# Altium PCB InsaneKeyboard.PcbDoc (part 1 of 3) (continued)
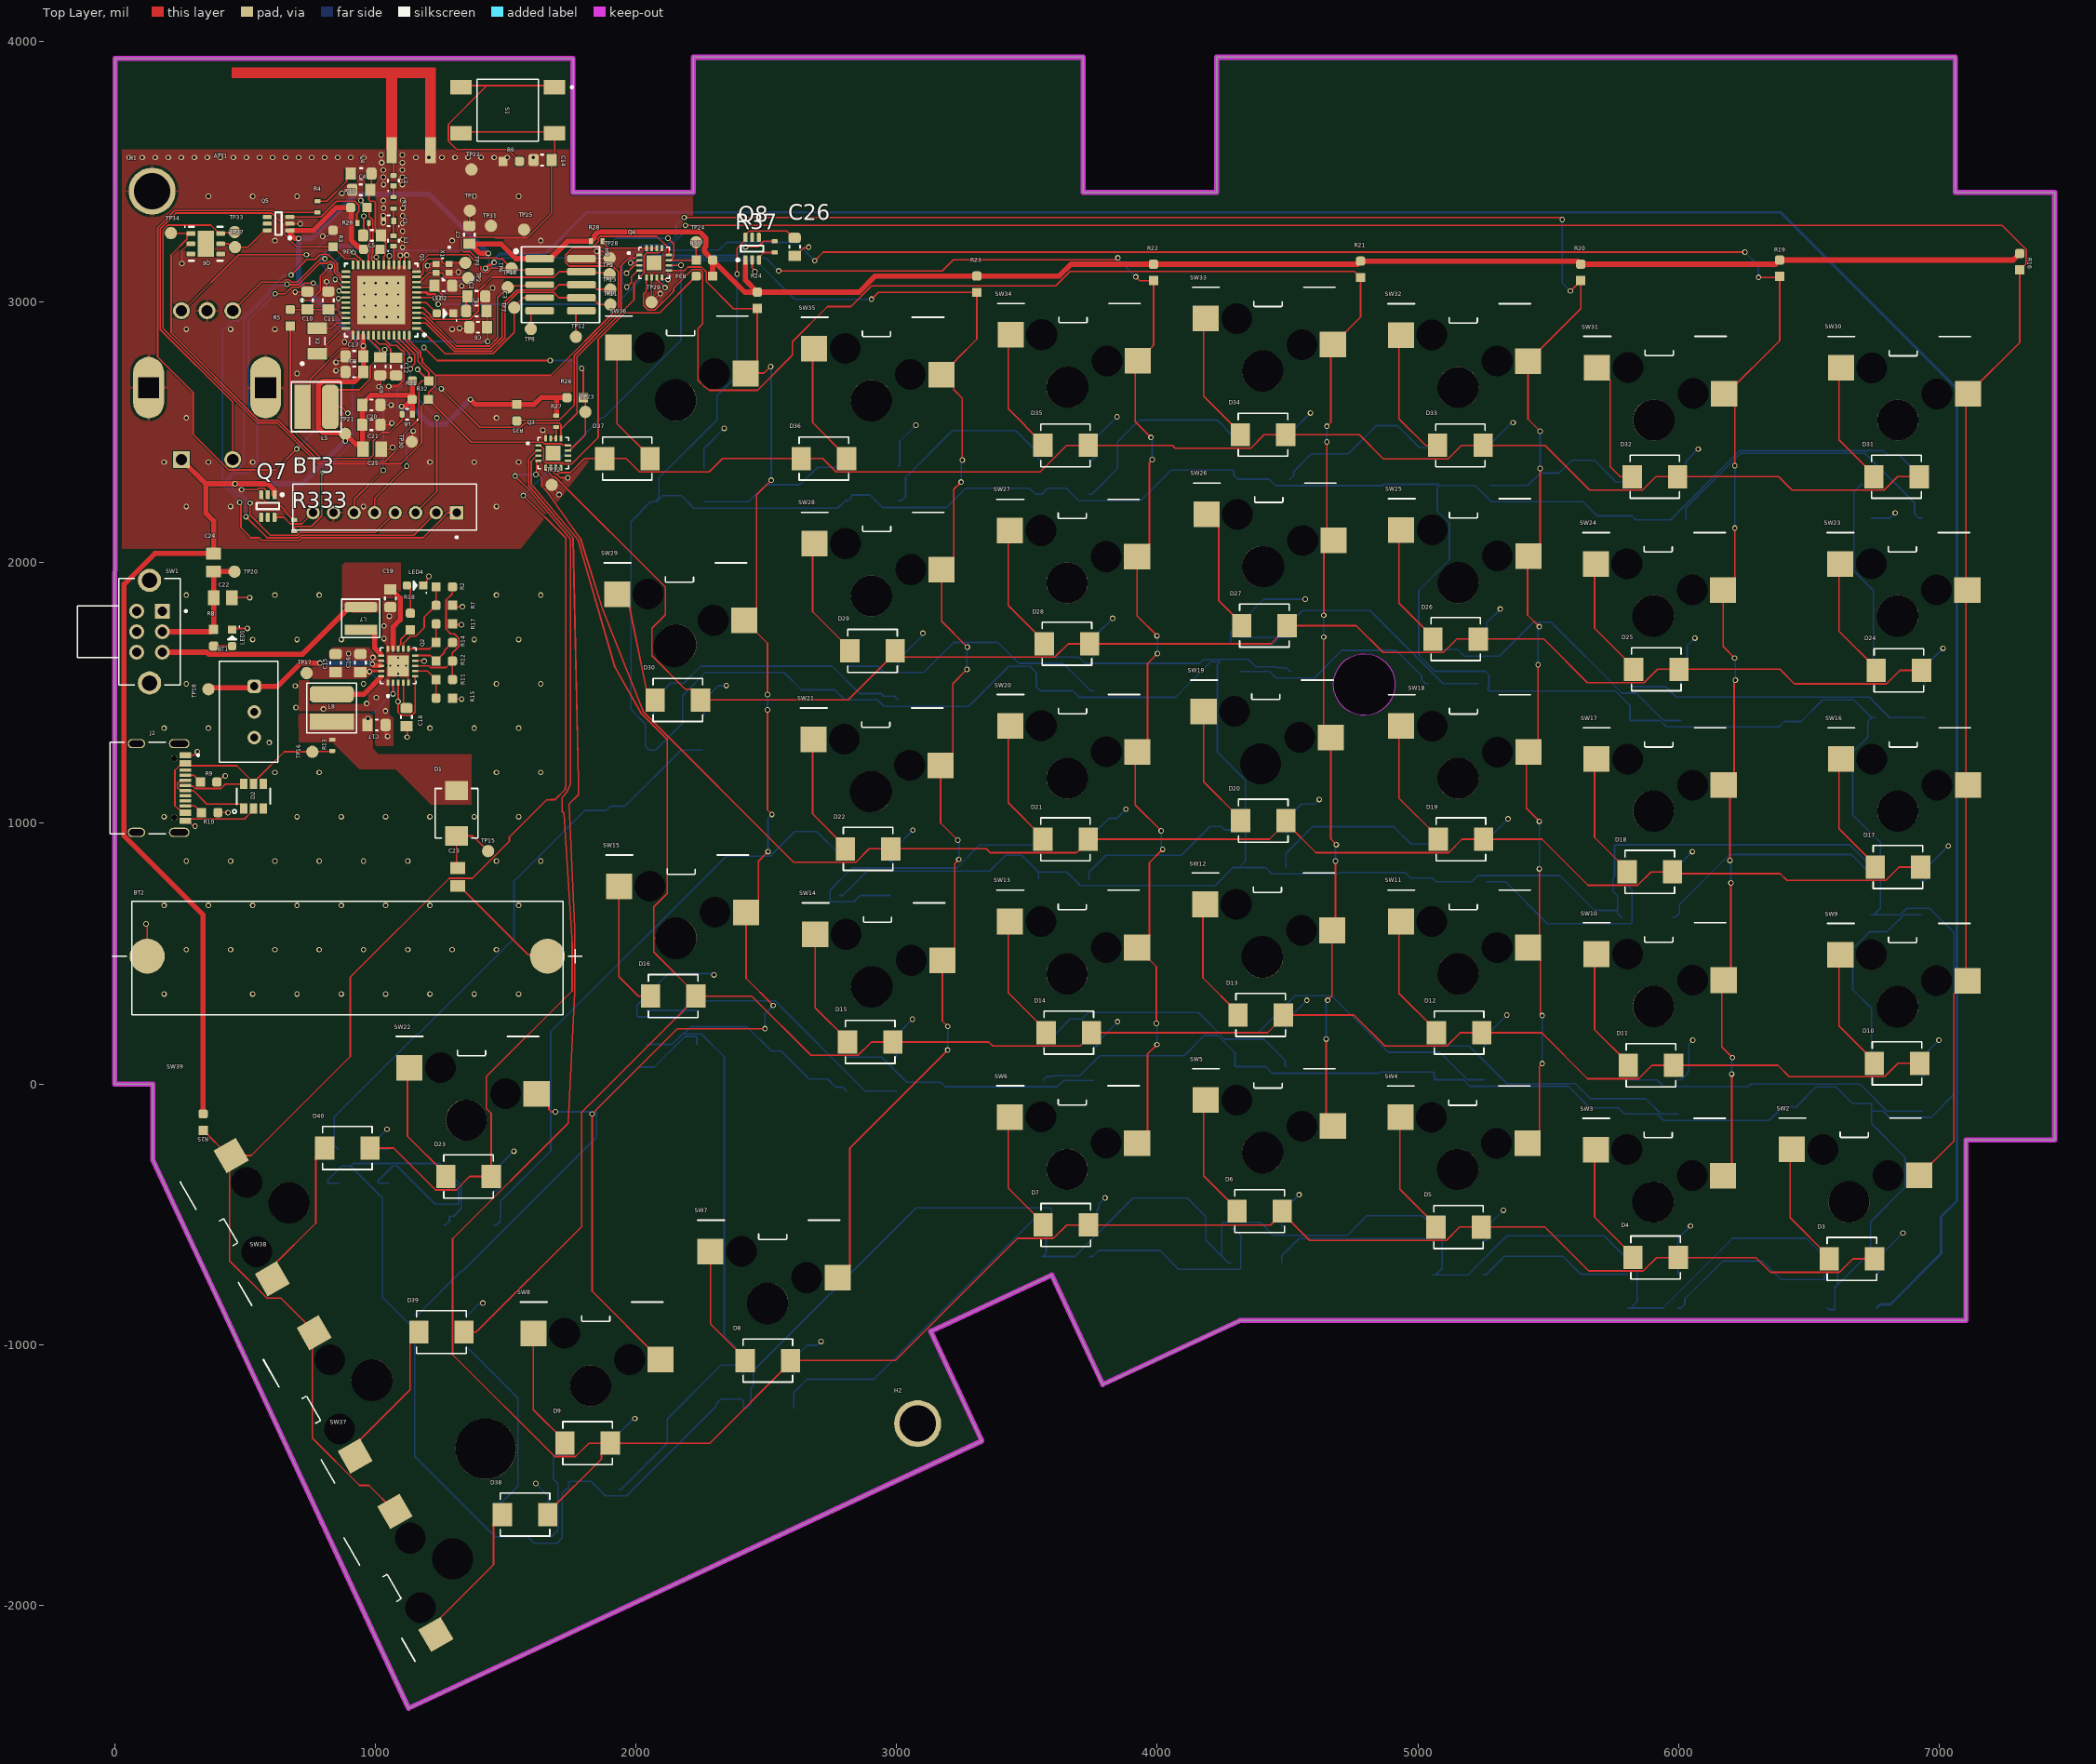
[diagram p0: Top Layer view]
## Components (designator, comment, footprint, x,y, rotation, side; value= is the part's Value field where it differs from the comment) (continued)
R35 "RES 10K 0603" "Resistor 0603" 1543,2575 r270 top value=10kR
R36 "RES 10K 0603" "Resistor 0603" 986.78,3202.01 r180 top value=10kR
R37 "RES 0R 0402" "Resistor 0402" 2532,3211 r90 top value=0R
R333 "RES 0R 0402" "Resistor 0402" 689,2142 r270 top value=0R
S1 "SPST" SPST 1508,3735 r180 top
SW1 "DPDT" DPDT 134,1734.85 r270 top
SW2 "Gateron G Pro 2.0" "MECHANICAL SWITCH" 6654,-451.79 r0 top
SW3 "Gateron G Pro 2.0" "MECHANICAL SWITCH" 5902,-452.79 r0 top
SW4 "Gateron G Pro 2.0" "MECHANICAL SWITCH" 5152,-328.79 r0 top
SW5 "Gateron G Pro 2.0" "MECHANICAL SWITCH" 4405,-262.79 r0 top
SW6 "Gateron G Pro 2.0" "MECHANICAL SWITCH" 3654,-327.79 r0 top
SW7 "Gateron G Pro 2.0" "MECHANICAL SWITCH" 2505,-843.79 r0 top
SW8 "Gateron G Pro 2.0" "MECHANICAL SWITCH" 1825.88,-1157.86 r0 top
SW9 "Gateron G Pro 2.0" "MECHANICAL SWITCH" 6840,295.21 r0 top
SW10 "Gateron G Pro 2.0" "MECHANICAL SWITCH" 5904,297.21 r0 top
SW11 "Gateron G Pro 2.0" "MECHANICAL SWITCH" 5153.99,422.09 r0 top
SW12 "Gateron G Pro 2.0" "MECHANICAL SWITCH" 4403,488.21 r0 top
SW13 "Gateron G Pro 2.0" "MECHANICAL SWITCH" 3653.98,422.09 r0 top
SW14 "Gateron G Pro 2.0" "MECHANICAL SWITCH" 2907,373.21 r0 top
SW15 "Gateron G Pro 2.0" "MECHANICAL SWITCH" 2154,557.21 r0 top
SW16 "Gateron G Pro 2.0" "MECHANICAL SWITCH" 6842,1045.21 r0 top
SW17 "Gateron G Pro 2.0" "MECHANICAL SWITCH" 5904,1045.21 r0 top
SW18 "Gateron G Pro 2.0" "MECHANICAL SWITCH" 5155,1172.21 r0 top
SW19 "Gateron G Pro 2.0" "MECHANICAL SWITCH" 4396.91,1228.16 r0 top
SW20 "Gateron G Pro 2.0" "MECHANICAL SWITCH" 3655,1173.21 r0 top
SW21 "Gateron G Pro 2.0" "MECHANICAL SWITCH" 2900,1121.21 r0 top
SW22 "Gateron G Pro 2.0" "MECHANICAL SWITCH" 1349.76,-138.61 r0 top
SW23 "Gateron G Pro 2.0" "MECHANICAL SWITCH" 6839,1794.21 r0 top
SW24 "Gateron G Pro 2.0" "MECHANICAL SWITCH" 5902,1794.21 r0 top
SW25 "Gateron G Pro 2.0" "MECHANICAL SWITCH" 5155,1924.21 r0 top
SW26 "Gateron G Pro 2.0" "MECHANICAL SWITCH" 4408,1984.21 r0 top
SW27 "Gateron G Pro 2.0" "MECHANICAL SWITCH" 3653.98,1922.1 r0 top
SW28 "Gateron G Pro 2.0" "MECHANICAL SWITCH" 2903.97,1872.1 r0 top
SW29 "Gateron G Pro 2.0" "MECHANICAL SWITCH" 2146.89,1677.76 r0 top
SW30 "Gateron G Pro 2.0" "MECHANICAL SWITCH" 6842,2546.21 r0 top
SW31 "Gateron G Pro 2.0" "MECHANICAL SWITCH" 5906,2547.21 r0 top
SW32 "Gateron G Pro 2.0" "MECHANICAL SWITCH" 5153.99,2672.11 r0 top
SW33 "Gateron G Pro 2.0" "MECHANICAL SWITCH" 4405,2735.21 r0 top
SW34 "Gateron G Pro 2.0" "MECHANICAL SWITCH" 3657,2673.21 r0 top
SW35 "Gateron G Pro 2.0" "MECHANICAL SWITCH" 2903,2620.21 r0 top
SW36 "Gateron G Pro 2.0" "MECHANICAL SWITCH" 2152,2624.21 r0 top
SW37 "Gateron G Pro 2.0" "MECHANICAL SWITCH" 1296.89,-1821.86 r120 top
SW38 "Gateron G Pro 2.0" "MECHANICAL SWITCH" 987.28,-1137.51 r120 top
SW39 "Gateron G Pro 2.0" "MECHANICAL SWITCH" 669.42,-457 r120 top
TP1 "Test point" "TEST POINT" 1363,3350 r90 top
TP2 "Test point" "TEST POINT" 1357,3092 r0 top
TP3 "Test point" "TEST POINT" 1346,3150 r0 top
TP6 "Test point" "TEST POINT" 1523,3129 r0 top
TP7 "Test point" "TEST POINT" 1533,2978 r0 top
TP8 "Test point" "TEST POINT" 1597,2896 r90 top
TP9 "Test point" "TEST POINT" 1899,3106 r90 top
TP10 "Test point" "TEST POINT" 1508.27,3056 r0 top
TP11 "Test point" "TEST POINT" 1902,2990 r90 top
TP12 "Test point" "TEST POINT" 1770,2866 r90 top
TP13 "Test point" "TEST POINT" 1902,3048 r90 top
TP15 "Test Point" "TEST POINT" 1433,893 r180 top
TP16 "Test point" "TEST POINT" 759,1274 r180 top
TP17 "Test point" "TEST POINT" 737,1576 r180 top
TP18 "Test point" "TEST POINT" 360,1514 r180 top
TP20 "Test point" "TEST POINT" 460,1965 r90 top
TP21 "Test point" "TEST POINT" 885,2494 r90 top
TP22 "Test point" "TEST POINT" 1369,3508 r90 top
TP23 "Test point" "TEST POINT" 1806,2578 r180 top
TP24 "Test point" "TEST POINT" 2231,3229 r90 top
TP25 "Test point" "TEST POINT" 1571,3277 r90 top
TP27 "Test point" "TEST POINT" 462,3210 r270 top
TP28 "Test point" "TEST POINT" 1899,3168 r270 top
TP29 "Test point" "TEST POINT" 2060,2999 r90 top
TP30 "Test point" "TEST POINT" 1140,2464 r0 top
TP31 "Test point" "TEST POINT" 1444,3292 r90 top
TP32 "Test point" "TEST POINT" 1677,2298 r90 top
TP33 "Test point" "TEST POINT" 461,3268 r270 top
TP34 "Test point" "TEST POINT" 216,3264 r270 top
X1 "XTAL 38.4MHz" "XTAL 38.4MHZ" 1259,3129 r270 top
X2 "32.768kHz" XTAL_32.768KHZ-T 777,2850 r90 top

## Footprints (in the part's own frame and the unit in brackets; to place one, negate y for a bottom-side part, rotate by r counter-clockwise, add the part's x,y. Pads: shape width x height; smd on the part's side, far side on the other; paste and mask are expansions set on the pad)
"1.54inch waveshare eink" [mm] "200x200, 1.54inch E-Ink display module"
  rect 1.308x1.308 / inner round 1.308 / far side rect 1.308x1.308 hole 0.8: 1(7.127,-1.185)
  round 1.308 hole 0.8: 2(5.127,-1.185) 3(3.127,-1.185) 4(1.127,-1.185) 5(-0.873,-1.185) 6(-2.873,-1.185) 7(-4.873,-1.185) 8(-6.873,-1.185)
  silkscreen extent -8.82,-3.68 9.08,1.62, body extent -8.85,-2.92 9.05,1.58, height 6
BATTERY [mm] "404852 3.7 V Lithium-Ion Battery Rechargeable (Secondary) 1.05Ah"
  rrect50% 1.308x1.308 hole 0.8: 1(2.5,0)
  round 1.308 hole 0.8: 2(0,0) 3(-2.5,0)
  silkscreen extent -4.9,-2.31 4.93,3.43, body extent -4.95,-2.34 4.95,3.41, height 6.51
BQ25570RGRR [mm] "Energy Harvesting PMIC 20-VQFN (3.5x3.5) IC ENERGY HARV CTRLR BATT 20VQFN"
  rrect50% 0.6x0.24 smd mask+0: 1(-1.65,1)
  rrect27% 0.6x0.24 smd mask+0: 2(-1.65,0.5) 3(-1.65,0) 4(-1.65,-0.5) 5(-1.65,-1) 11(1.65,-1) 12(1.65,-0.5) 13(1.65,0) 14(1.65,0.5) 15(1.65,1)
  rrect27% 0.24x0.6 smd mask+0: 6(-1,-1.65) 7(-0.5,-1.65) 8(0,-1.65) 9(0.5,-1.65) 10(1,-1.65) 16(1,1.65) 17(0.5,1.65) 18(0,1.65) 19(-0.5,1.65) 20(-1,1.65)
  rect 2.05x2.05 smd paste-2 mask+0.07: 21(0,0)
  round 0.3 hole 0.2 mask+0: ""(-0.775,0) ""(0,0.775) ""(0,0) ""(0,-0.775) ""(0.775,0)
  silkscreen extent -3.05,-1.75 1.75,1.75, body extent -1.75,-1.75 1.75,1.75, height 1
"CAPACITOR 0402" [mm]
  rect 0.5x0.64 smd: 1(-0.5,0)
  rrect50% 0.5x0.64 smd: 2(0.5,0)
  silkscreen extent -1.04,-0.52 0.1,0.58, body extent -0.5,-0.25 0.5,0.25, height 0.55
"CAPACITOR 0603" [mm] "Chip Capacitor, 2-Leads, Body 1.60x0.80mm, IPC Medium Density"
  rect 1x1.2 smd: 1(-0.875,0)
  rrect50% 1x1.2 smd: 2(0.875,0)
  silkscreen extent -0.07,-0.53 0.13,0.53, body extent -0.87,-0.5 0.93,0.5, height 1
"Capacitor 0603" [mm] "Chip Capacitor, 2-Leads, Body 1.60x0.80mm, IPC Medium Density"
  rect 1x1.2 smd: 1(-0.875,0)
  rrect50% 1x1.2 smd: 2(0.875,0)
  silkscreen extent -0.07,-0.53 0.13,0.53, body extent -0.87,-0.5 0.93,0.5, height 1
"CAPACITOR 0805" [mm]
  rect 1.16x1.47 smd: 1(-0.88,0) 2(0.88,0)
"Capacitor 0805" [mm]
  rect 1.16x1.47 smd: 1(-0.88,0) 2(0.88,0)
"DIODE SCHOTTKY" [mil]
  rect 74x89 smd paste+0 mask+0: 1(-87,0) 2(87,0)
  silkscreen extent -95,-83 95,83, body extent -105,-70 107,72, height 111
DPDT [mm]
  rect 1.438x1.438 / inner round 1.438 / far side rect 1.438x1.438 hole 0.93: 1(-2,1.25)
  round 1.438 hole 0.93: 2(0,1.25) 3(2,1.25) 4(-2,-1.25) 5(0,-1.25) 6(2,-1.25)
  round 2.265 hole 1.51: S1(-5,0) S2(5,0)
  silkscreen extent -5.2,-7 5.2,3.65, body extent -5.15,-7 5.15,3, height 5
EFR32BG [mm] "PQFN, 48-Leads, Body 7.00x7.00mm, Pitch 0.50mm, Thermal Pad 4.70x4.70mm, IPC Medium Density"
  rect 0.86x0.26 smd mask+0.05: 1(-3.435,2.75)
  rrect50% 0.86x0.26 smd mask+0.05: 2(-3.435,2.25) 3(-3.435,1.75) 4(-3.435,1.25) 5(-3.435,0.75) 6(-3.435,0.25) 7(-3.435,-0.25) 8(-3.435,-0.75) 9(-3.435,-1.25) 10(-3.435,-1.75) 11(-3.435,-2.25) 12(-3.435,-2.75) 25(3.435,-2.75) 26(3.435,-2.25) 27(3.435,-1.75) 28(3.435,-1.25) 29(3.435,-0.75) 30(3.435,-0.25) 31(3.435,0.25) 32(3.435,0.75) 33(3.435,1.25) 34(3.435,1.75) 35(3.435,2.25) 36(3.435,2.75)
  rrect50% 0.26x0.86 smd mask+0.05: 13(-2.75,-3.435) 14(-2.25,-3.435) 15(-1.75,-3.435) 16(-1.25,-3.435) 17(-0.75,-3.435) 18(-0.25,-3.435) 19(0.25,-3.435) 20(0.75,-3.435) 21(1.25,-3.435) 22(1.75,-3.435) 23(2.25,-3.435) 24(2.75,-3.435) 37(2.75,3.435) 38(2.25,3.435) 39(1.75,3.435) 40(1.25,3.435) 41(0.75,3.435) 42(0.25,3.435) 43(-0.25,3.435) 44(-0.75,3.435) 45(-1.25,3.435) 46(-1.75,3.435) 47(-2.25,3.435) 48(-2.75,3.435)
  rect 4.7x4.7 smd paste-20 mask+0.05: 49(0,0)
  silkscreen extent -4.33,-3.55 3.55,3.55, body extent -3.55,-3.55 3.55,3.55, height 0.9
F_INVERTED [mil] "inverted f antenna with 50 ohm impedence matching"
  rect 100x40 smd paste-39.37 mask+4.02: FEED(49,0)
  rect 100x40 smd paste-78.74 mask+4.02: GND(49,-149)
  Top Layer region: 51,20 327,20 327,613 366,613 366,-169 51,-169 51,-129 327,-129 327,-20 51,-20
"FERRITE 0402" [mm]
  rect 0.47x0.64 smd: 1(-0.5,0)
  rrect50% 0.47x0.64 smd: 2(0.5,0)
  silkscreen extent -1.04,-0.53 0.1,0.58, body extent -0.55,-0.3 0.55,0.3, height 0.55
"FERRITE 0603" [mm] "EFR32bg13- / RFVDD, PAVDD"
  rect 1x1.2 smd: 1(-0.975,0)
  rrect50% 1x1.2 smd: 2(1.025,0)
  silkscreen extent -0.07,-0.53 0.13,0.53, body extent -0.87,-0.5 0.93,0.5, height 1
Hole [mil]
  round 180 hole 140: 1(0,0)
HOLE [mil]
  round 180 hole 140: 1(0,0)
"IND 10UH (1X3.2)" [mm]
  rect 1x3.2 smd: 1(0,0)
  rrect50% 1x3.2 smd: 2(2.2,0)
  silkscreen extent -0.76,-1.85 2.97,1.88, body extent -0.27,-1.44 2.51,1.34, height 0.24
"IND 22UH (1.6X4.3)" [mm]
  rect 1.6x4.3 smd: 1(0,0)
  rrect50% 1.6x4.3 smd: 2(2.7,0)
  silkscreen extent -1.09,-2.41 3.76,2.44, body extent -0.58,-1.9 3.22,1.9, height 1.66
"LED 0603" [mm] "SODFL, 2-Leads, Body 0.80x1.80mm, IPC Medium Density"
  rrect50% 0.8x0.8 smd: A(0.775,-0.102)
  rect 0.8x0.8 smd: C(-0.825,-0.102)
  silkscreen extent -1.18,-0.5 0.12,0.65, body extent -0.83,-0.5 0.77,0.3, height 0.71
"MECHANICAL SWITCH" [mm] "Compatible with any 3-Pin/5-Pin MX mechanical keyboard with SMD-LED light or RGB-SMD light."
  rect 2.55x2.5 smd: 1(-5.561,5.1) 2(6.831,2.56)
  round 0 hole 3 unplated: 4(3.81,2.56) 5(-2.54,5.1)
  round 0 hole 4 unplated: 8(0,0)
  silkscreen extent -6.83,6.27 7.06,8.15, body extent -6.67,0.91 7.83,6.8, height 1.76
"MINI SIMPLICITY CONNECTOR" [mil]
  rrect50% 29x110 smd mask+2: 1(-100,-80) 2(-100,80) 3(-50,-80) 4(-50,80) 6(0,80) 8(50,80) 9(100,-80) 10(100,80)
  rrect50% 26x110 smd mask+2: 5(0,-80) 7(50,-80)
  silkscreen extent -145,-177 145,150, body extent -125,-115 125,115, height 241
"RESISTOR 0402" [mm]
  rect 0.4x0.6 smd: 1(-0.55,0)
  rrect50% 0.4x0.6 smd: 2(0.55,0)
  body extent -0.55,-0.3 0.55,0.3, height 0.55
"Resistor 0402" [mm]
  rect 0.4x0.6 smd: 1(-0.55,0)
  rrect50% 0.4x0.6 smd: 2(0.55,0)
  body extent -0.55,-0.3 0.55,0.3, height 0.55
"RESISTOR 0603" [mm] "Common footprint for 0603 resistor"
  rect 0.9x0.9 smd: 1(-0.8,0)
  rrect50% 0.9x0.9 smd: 2(0.8,0)
  body extent -0.78,-0.43 0.77,0.42, height 0.45
"Resistor 0603" [mm] "Common footprint for 0603 resistor"
  rect 0.9x0.9 smd: 1(-0.8,0)
  rrect50% 0.9x0.9 smd: 2(0.8,0)
  body extent -0.78,-0.43 0.77,0.42, height 0.45
"Rotery Encoder" [mm]
  rect 1.65x1.65 hole 1.1: 1(-2.5,7)
  round 1.65 hole 1.1: 2(2.5,7) A(-2.5,-7.5) B(2.5,-7.5) COM(0,-7.5)
  oval 3x6 hole 2 square: S1(-5.7,0) S2(5.7,0)
  silkscreen extent -6.25,-6.7 6.25,7.7
"SI7021-A20 - TEMP" [mm] "SON, 6-Leads, Body 3.00x3.00mm, Pitch 1.00mm, Thermal Pad 2.40x1.50mm, IPC Medium Density /  / Humidity, Temperature 0 ~ 100% RH I2C ±3% RH 18 s Surface Mount"
  rect 0.85x0.45 smd mask+0.07: 1(-1.45,1)
  rrect50% 0.85x0.45 smd mask+0.07: 2(-1.45,0) 3(-1.45,-1) 4(1.45,-1) 5(1.45,0) 6(1.45,1)
  rect 1.6x2.5 smd paste-1 mask+0.07: ""(0,0)
  silkscreen extent -2.1,-1.65 1.65,1.7, body extent -1.55,-1.5 1.55,1.5, height 0.8
"SOLAR PANEL" [mm] "Monocrystalline Solar Cell 184 mW 4.15 V"
  round 3.4 smd: N(19.5,0) P(-19.5,0)
  silkscreen extent -22.9,-5.33 22.9,5.72
SPST [mm]
  rect 2.1x1.4 smd: 1(-4.55,-2.25) 2(4.55,-2.25) 3(-4.55,2.25) 4(4.55,2.25)
  silkscreen extent -6.35,-3 3,3, body extent -5,-3 5,3, height 4.4
"TCA6408ARGTR - IO EXPANDER" [mm] "IC XPNDR 400KHZ I2C SMBUS 16VQFN"
  rect 0.6x0.26 smd mask+0.07: 1(-1.435,0.75)
  rrect25% 0.6x0.26 smd mask+0.07: 2(-1.435,0.25) 3(-1.435,-0.25) 4(-1.435,-0.75) 9(1.435,-0.75) 10(1.435,-0.25) 11(1.435,0.25) 12(1.435,0.75)
  rrect25% 0.26x0.6 smd mask+0.07: 5(-0.75,-1.435) 6(-0.25,-1.435) 7(0.25,-1.435) 8(0.75,-1.435) 13(0.75,1.435) 14(0.25,1.435) 15(-0.25,1.435) 16(-0.75,1.435)
  rect 1.45x1.45 smd paste-0.04 mask+0.07: 17(0,0)
  silkscreen extent -2.57,-1.5 1.5,1.5, body extent -1.5,-1.5 1.5,1.5, height 1
"TEST POINT" [mm]
  round 1.2 smd paste-2539.97 mask-1: 1(0,0)
"TPS22919DCKR - LOAD SW" [mm] "Power Switch/Driver 1:1 N-Channel 1.5A SC-70-6, 5.5 V, 1.5 A, 90-mO Self-Protected Load Switch with Controlled Rise Time"
  rect 0.9x0.4 smd mask+0.07: 1(-1.1,0.65)
  rrect50% 0.9x0.4 smd mask+0.07: 2(-1.1,0) 3(-1.1,-0.65) 4(1.1,-0.65) 5(1.1,0) 6(1.1,0.65)
  silkscreen extent -1.23,-1.1 0.3,1.52, body extent -1.2,-1.07 1.2,1.07, height 1.1
"TPS22919DCKR - Load SW" [mm] "Power Switch/Driver 1:1 N-Channel 1.5A SC-70-6, 5.5 V, 1.5 A, 90-mO Self-Protected Load Switch with Controlled Rise Time"
  rect 0.9x0.4 smd mask+0.07: 1(-1.1,0.65)
  rrect50% 0.9x0.4 smd mask+0.07: 2(-1.1,0) 3(-1.1,-0.65) 4(1.1,-0.65) 5(1.1,0) 6(1.1,0.65)
  silkscreen extent -1.22,-1.1 0.3,1.53, body extent -1.2,-1.07 1.2,1.07, height 1.1
TVS [mm]
  rect 1x0.7 smd mask+0.025: 1(-1.163,0.95) 2(-1.163,0) 3(-1.163,-0.95) 4(1.2,-0.95) 5(1.2,0) 6(1.2,0.95)
  silkscreen extent -1.65,-1.63 0.76,2.03, body extent -1.37,-1.44 1.38,1.46, height 1.1
"TYPE C" [mm]
  rect 0.6x1.14 smd mask+0.05: A1_B12(-3.2,4.75) A4_B9(-2.4,4.75) B1_A12(3.2,4.75) B4_A9(2.4,4.75)
  rect 0.3x1.14 smd mask+0.05: A5(-1.25,4.75) A6(-0.25,4.75) A7(0.25,4.75) A8(1.25,4.75) B5(1.75,4.75) B6(0.75,4.75) B7(-0.75,4.75) B8(-1.75,4.75)
  oval 0.9x2 hole 0.6 slot 1.7 at 90 deg: S1(-4.325,4.17) S2(4.325,4.17)
  oval 0.9x1.7 hole 0.6 slot 1.4 at 90 deg: S3(-4.325,0) S4(4.325,0)
  round 0.6 hole 0.6 unplated: ""(-2.89,3.68) ""(2.89,3.68)
  silkscreen extent -4.47,-2.6 4.47,6.1, body extent -4.47,-2.6 4.47,5.31, height 3.31
WS2812B [mm]
  rect 1.5x0.9 smd: 1-VDD(2.45,-1.65) 2-DOUT(2.45,1.65) 3-GND(-2.45,1.65) 4-DIN(-2.45,-1.65)
  silkscreen extent -2.5,-2.5 2.5,3.2
"XTAL 38.4MHZ" [mil]
  rect 23x27 smd paste+0 mask+0: 1(-17,25.1) 2(-17,-25.1) 3(17,-25.1) 4(17,25.1)
  silkscreen extent -85,-3 38,29, body extent -34,-41 34,41, height 20
XTAL_32.768KHZ-T [mm]
  rect 1.1x1.9 smd: 1(-1.25,0) 2(1.25,0)
  silkscreen extent -2.32,-0.75 0.38,1.56, body extent -1.6,-0.75 1.6,0.75, height 0.89

## Part data
ATT1: "For 50Ohm impedence, Inverted F antenna"
BT1: "Batt Lith-ion 3.7V 1.05AH 404852", Manufacturer=GlobTek, Manufacturer Part Number=BL1200P4054481S1PCAC, Supplier Part Number=1939-BL1200P4054481S1PCAC-ND, Category="Batteries and Accessories", ComponentLink1Description=https://www.globtek.com/pdf/manual-datasheets/BL1200P4054481S1PCAC.pdf?src-supplier=Digikey, ComponentLink1URL=https://www.globtek.com/pdf/manual-datasheets/BL1200P4054481S1PCAC.pdf?src-supplier=Digikey, Pricing="1=10.53, 10=9.312 (USD)", RoHS=No, Stock=781, Supplier=Digikey
BT2: "Monocryst Solar Cell 184MW 4.15V", Manufacturer=ANYSOLAR, Manufacturer Part Number=SM141K06L, Supplier Part Number=SM141K06L-ND, Pricing="1=6.3, 25=4.9996, 50=4.7572, 100=4.545, 250=4.242, 500=4.0299 (USD)", RoHS=No, Stock=2115, Supplier=Digikey
BT3: "No backlight, keeps displaying last content for a long time even when power down / Ultra low power consumption, basically power is only required for refreshing / SPI interface, for connecting with controller boards like Raspberry Pi/Arduino/Nucleo, etc. / Onboard voltage translator, compatible with 3.3V/5V MCUs / Comes with development resources and manual (examples for Raspberry Pi/Jetson Nano/Arduino/STM32) / Specifications / Operating voltage: 3.3V/5V / Interface: 3-wire SPI, 4-wire SPI / Outline dimension: 48mm × 33mm / Display size: 27.6mm × 27.6mm / Dot pitch: 0.138 × 0.138 / Resolution: 200 × 200 / Display color: black, white / Grey level: 2 / Partial refresh time: 0.3s / Full refresh time: 2s / Refresh power: 26.4mW(typ.) / Standby power: <0.017mW / Viewing angle: >170°"
C1: "Ceramic Capacitor, Multilayer, Ceramic, 50V, 3.33% +Tol, 3.33% -Tol, C0G, 30ppm/Cel TC, 0.0000015uF, Surface Mount, 0402", Capacitor Type=Ceramic, Case/Package=0402, Manufacturer=Murata, Manufacturer Part Number=GJM1555C1H1R5WB01D, Max Operating Temperature=125°C, Min Operating Temperature=-55°C, Package Shape=Rectangular, Package Style=SMTMeter, Rated DC Voltage (URdc)=50V, Supplier Part Number=490-11199-6-ND, Temperature Characteristics Code=C0G, Tolerance  (fill in as +-)=3.33%, Category="Ceramic Capacitors", ComponentLink1Description=https://datasheet.ciiva.com:443/pdfs/VipMasterIC/IC/MURE/MURE-S-A0004378008/MURE-S-A0004383770-1.pdf?src-supplier=IHS+Markit, ComponentLink1URL=https://datasheet.ciiva.com:443/pdfs/VipMasterIC/IC/MURE/MURE-S-A0004378008/MURE-S-A0004383770-1.pdf?src-supplier=IHS+Markit, ComponentLink2Description=https://datasheet.ciiva.com/18183/getdatasheetpartid-312921-18183825.pdf?src-supplier=Verical, ComponentLink2URL=https://datasheet.ciiva.com/18183/getdatasheetpartid-312921-18183825.pdf?src-supplier=Verical, Dielectric Material=Ceramic, Height=0.5mm, JESD-609 Code=e3, Length=1mm, Mounting Technology="Surface Mount", Multilayer=Yes, Packaging="Tape and Reel", Pins=2, Pricing="1=0.16, 10=0.091, 50=0.0634, 100=0.0549, 500=0.04062, 1000=0.03616, 2500=0.03144, 5000=0.02857 (USD)", Reach SVHC Compliant=Yes, RoHS=Yes, RoHS Compliant=Yes, Stock=52422, Supplier=Digikey, Terminal Finish=Nickel, Termination=Wraparound, Tolerance (fill in as +-)=3.33%, Width=0.5mm
C2 C3: "Ceramic Capacitor, Multilayer, Ceramic, 100V, 5% +Tol, 5% -Tol, C0G, 30ppm/Cel TC, 0.0001uF, Surface Mount, 0603", Capacitor Type=Ceramic, Case/Package=0603, Manufacturer=Murata, Manufacturer Part Number=GCM1885C2A101JA16D, Max Operating Temperature=125°C, Min Operating Temperature=-55°C, Package Shape=Rectangular, Package Style=SMTMeter, Rated DC Voltage (URdc)=100V, Supplier Part Number=490-4771-1-ND, Temperature Characteristics Code=C0G, Tolerance  (fill in as +-)=5%, Category="Ceramic Capacitors", ComponentLink1Description=https://datasheet.ciiva.com:443/pdfs/VipMasterIC/IC/MURE/MURE-S-A0004365318/MURE-S-A0004370465-1.pdf?src-supplier=IHS+Markit, ComponentLink1URL=https://datasheet.ciiva.com:443/pdfs/VipMasterIC/IC/MURE/MURE-S-A0004365318/MURE-S-A0004370465-1.pdf?src-supplier=IHS+Markit, ComponentLink2Description=https://datasheet.ciiva.com/133/product-133309.pdf?src-supplier=Digikey, ComponentLink2URL=https://datasheet.ciiva.com/133/product-133309.pdf?src-supplier=Digikey, ComponentLink3Description=https://datasheet.ciiva.com/133/product-133310.pdf?src-supplier=Digikey, ComponentLink3URL=https://datasheet.ciiva.com/133/product-133310.pdf?src-supplier=Digikey, ComponentLink4Description=https://datasheet.ciiva.com/133/product-133311.pdf?src-supplier=Digikey, ComponentLink4URL=https://datasheet.ciiva.com/133/product-133311.pdf?src-supplier=Digikey, ComponentLink5Description=https://datasheet.ciiva.com/18183/getdatasheetpartid-223913-18183585.pdf?src-supplier=Verical, ComponentLink5URL=https://datasheet.ciiva.com/18183/getdatasheetpartid-223913-18183585.pdf?src-supplier=Verical, ComponentLink6Description=https://datasheet.ciiva.com/11605/product-11605527.pdf?src-supplier=Avnet, ComponentLink6URL=https://datasheet.ciiva.com/11605/product-11605527.pdf?src-supplier=Avnet, Dielectric Material=Ceramic, Height=0.9mm, JESD-609 Code=e3, Length=1.6mm, Mounting Technology="Surface Mount", Multilayer=Yes, Packaging="Tape and Reel", Pins=2, Pricing="1=0.1, 10=0.041, 50=0.0278, 100=0.0237, 500=0.017, 1000=0.01491 (USD)", Reach SVHC Compliant=Yes, Reference Standard=AEC-Q200, RoHS=Yes, RoHS Compliant=Yes, Stock=419530, Supplier=Digikey, Terminal Finish=Nickel, Termination=Wraparound, Tolerance (fill in as +-)=5%, Width=0.8mm
C4: "Ceramic Capacitor, Multilayer, Ceramic, 50V, 10% +Tol, 10% -Tol, X7R, 15% TC, 0.22uF, Surface Mount, 0603", Capacitor Type=Ceramic, Case/Package=0603, Manufacturer=Murata, Manufacturer Part Number=GRM188R71H224KAC4D, Max Operating Temperature=125°C, Min Operating Temperature=-55°C, Package Shape=Rectangular, Package Style=SMTMeter, Rated DC Voltage (URdc)=50V, Supplier Part Number=490-12546-1-ND, Temperature Characteristics Code=X7R, Tolerance  (fill in as +-)=10%, Category="Ceramic Capacitors", ComponentLink1Description=https://datasheet.ciiva.com:443/pdfs/VipMasterIC/IC/MURE/MURE-S-A0004349797/MURE-S-A0004352767-1.pdf?src-supplier=IHS+Markit, ComponentLink1URL=https://datasheet.ciiva.com:443/pdfs/VipMasterIC/IC/MURE/MURE-S-A0004349797/MURE-S-A0004352767-1.pdf?src-supplier=IHS+Markit, ComponentLink2Description=http://www.farnell.com/datasheets/2189130.pdf?src-supplier=Farnell, ComponentLink2URL=http://www.farnell.com/datasheets/2189130.pdf?src-supplier=Farnell, ComponentLink3Description=http://psearch.en.murata.com/capacitor/product/GRM188R71H224KAC4%23.pdf?src-supplier=Avnet, ComponentLink3URL=http://psearch.en.murata.com/capacitor/product/GRM188R71H224KAC4%23.pdf?src-supplier=Avnet, ComponentLink4Description=http://search.murata.co.jp/Ceramy/image/img/A01X/G101/ENG/GRM188R71H224KAC4-01.pdf?src-supplier=Digikey, ComponentLink4URL=http://search.murata.co.jp/Ceramy/image/img/A01X/G101/ENG/GRM188R71H224KAC4-01.pdf?src-supplier=Digikey, ComponentLink5Description=https://datasheet.octopart.com/GRM188R71H224KAC4D-Murata-datasheet-149523289.pdf?src-supplier=Newark, ComponentLink5URL=https://datasheet.octopart.com/GRM188R71H224KAC4D-Murata-datasheet-149523289.pdf?src-supplier=Newark, ComponentLink6Description=http://www.farnell.com/datasheets/2189130.pdf?src-supplier=Element14, ComponentLink6URL=http://www.farnell.com/datasheets/2189130.pdf?src-supplier=Element14, ComponentLink7Description=https://datasheet.octopart.com/GRM188R71H224KAC4D-Murata-datasheet-14397325.pdf?src-supplier=Future+Electronics, ComponentLink7URL=https://datasheet.octopart.com/GRM188R71H224KAC4D-Murata-datasheet-14397325.pdf?src-supplier=Future+Electronics, ComponentLink8Description=https://datasheet.octopart.com/GRM188R71H224KAC4D-Murata-datasheet-150009171.pdf?src-supplier=Arrow.cn, ComponentLink8URL=https://datasheet.octopart.com/GRM188R71H224KAC4D-Murata-datasheet-150009171.pdf?src-supplier=Arrow.cn, ComponentLink9Description=https://datasheet.octopart.com/GRM188R71H224KAC4D-Murata-datasheet-165579666.pdf?src-supplier=TME, ComponentLink9URL=https://datasheet.octopart.com/GRM188R71H224KAC4D-Murata-datasheet-165579666.pdf?src-supplier=TME, Dielectric Material=Ceramic, Height=0.8mm, JESD-609 Code=e3, Length=1.6mm, Mounting Technology="Surface Mount", Multilayer=Yes, Packaging="Tape and Reel", Pins=2, Pricing="1=0.17, 10=0.097, 50=0.0676, 100=0.0586, 500=0.04346, 1000=0.03873 (USD)", Reach SVHC Compliant=Yes, RoHS=Yes, RoHS Compliant=Yes, Stock=80240, Supplier=Digikey, Terminal Finish=Nickel, Termination=Wraparound, Tolerance (fill in as +-)=10%, Width=0.8mm